# Altium PCB Guppy.PcbDoc (part 1 of 2) (continued)
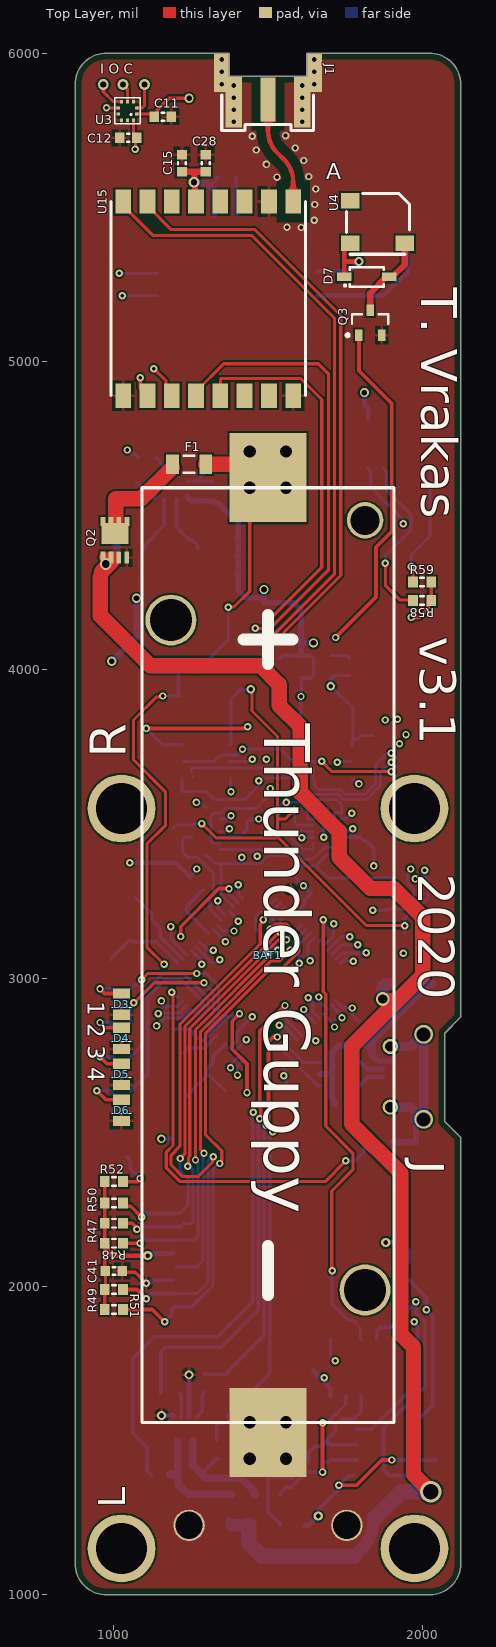
[diagram p0: Top Layer view]
## Footprints (in the part's own frame and the unit in brackets; to place one, negate y for a bottom-side part, rotate by r counter-clockwise, add the part's x,y. Pads: shape width x height; smd on the part's side, far side on the other; paste and mask are expansions set on the pad) (continued)
MICROSD_CARD_SOCKET [mm]
  rect 0.8x1.5 smd: 1(-8.94,-3.8) 2(-7.84,-4.2) 3(-6.74,-3.8) 4(-5.64,-3.6) 5(-4.54,-3.8) 6(-3.44,-3.6) 7(-2.34,-3.8) 8(-1.24,-3.8)
  rect 1.4x1.9 smd: CD(-13.6,0.2) SHIELD3(-0.55,-0.95)
  rect 1.8x1.4 smd: SHIELD1(-2.05,-14.1) SHIELD2(-7.75,-14.1)
  body extent -14,-14.42 0,0.83, height 1.85
POWERPAK_1212-8_DUAL [mm] "PowerPAK 1212-8 Dual (Vishay footprint)"
  rect 0.99x0.405 smd: 1(-1.12,0.975) 2(-1.12,0.315) 3(-1.12,-0.315) 4(-1.12,-0.975)
  rect 1.725x0.99 smd: 5(0.863,-0.607) 7(0.863,0.607)
  rect 0.76x0.405 smd: 5(1.855,-0.992) 5(1.855,-0.315) 7(1.855,0.315) 7(1.855,0.992)
  body extent -1.5,-1.25 2,1.25, height 1.05
POWERPAK_1212-8_SINGLE [mm] "PowerPAK 1212-8 Single (Vishay footprint)"
  rect 0.99x0.405 smd: 1(-1.12,-0.315) 1(-1.12,0.315) 1(-1.12,0.975) 4(-1.12,-0.975)
  rect 1.725x2.204 smd: 5(0.863,0)
  rect 0.76x0.405 smd: 5(1.855,-0.992) 5(1.855,-0.315) 5(1.855,0.315) 5(1.855,0.992)
  Mechanical 13 keep-out region: -0.168,-1.775 0.167,-1.775 0.167,1.775 -0.168,1.775
  body extent -1.5,-1.25 2,1.25, height 1.05
R0603 [mm] "Chip Resistor, 2-Leads, Body 1.6x0.8mm, IPC High Density"
  rect 0.8x0.9 smd: 1(-0.75,0) 2(0.75,0)
  silkscreen extent -0.15,-0.35 0.15,0.35, body extent -0.8,-0.4 0.8,0.4, height 0.45
R1206 [mm] "Chip Resistor, 2-Leads, Body 3.1x1.6mm, IPC High Density"
  rect 1.05x1.6 smd: 1(-1.375,0) 2(1.375,0)
  silkscreen extent -0.45,-0.7 0.45,0.7, body extent -1.6,-0.8 1.6,0.8, height 0.6
RFM-22 [mm] "RFM Module Standard Size"
  rect 2x1.3 smd paste+0 mask+0: 1(0,0) 2(0,-2) 3(0,-4) 4(0,-6) 5(0,-8) 6(0,-10) 7(0,-12) 8(0,-14) 9(16,-14) 10(16,-12) 11(16,-10) 12(16,-8) 13(16,-6) 14(16,-4) 15(16,-2) 16(16,0)
  silkscreen extent 0,-15 16,1, body extent 0,-15 16,1, height 2.04
SAM-M8 [mm] "ublox SAM antenna module"
  rect 1.8x1.5 smd paste-1.8: 1(-6.6,3.8) 2(-6.6,1.9) 3(-6.6,0) 4(-6.6,-1.9) 5(-6.6,-3.8) 11(6.6,-3.8) 12(6.6,-1.9) 13(6.6,0) 14(6.6,1.9) 15(6.6,3.8)
  rect 1.5x1.8 smd paste-1.8: 6(-3.8,-6.6) 7(-1.9,-6.6) 8(0,-6.6) 9(1.9,-6.6) 10(3.8,-6.6) 16(3.8,6.6) 17(1.9,6.6) 18(0,6.6) 19(-1.9,6.6) 20(-3.8,6.6)
  silkscreen extent -9.1,-7.77 7.74,7.74, body extent -7.76,-7.74 7.74,7.76, height 5.41
"SAMD TQFP-64" [mm] "TSQFP, 64-Leads, Body 10.00x10.00mm, Pitch 0.50mm, IPC Medium Density"
  oval 1.4x0.3 smd: 1(-5.7,3.75) 2(-5.7,3.25) 3(-5.7,2.75) 4(-5.7,2.25) 5(-5.7,1.75) 6(-5.7,1.25) 7(-5.7,0.75) 8(-5.7,0.25) 9(-5.7,-0.25) 10(-5.7,-0.75) 11(-5.7,-1.25) 12(-5.7,-1.75) 13(-5.7,-2.25) 14(-5.7,-2.75) 15(-5.7,-3.25) 16(-5.7,-3.75) 33(5.7,-3.75) 34(5.7,-3.25) 35(5.7,-2.75) 36(5.7,-2.25) 37(5.7,-1.75) 38(5.7,-1.25) 39(5.7,-0.75) 40(5.7,-0.25) 41(5.7,0.25) 42(5.7,0.75) 43(5.7,1.25) 44(5.7,1.75) 45(5.7,2.25) 46(5.7,2.75) 47(5.7,3.25) 48(5.7,3.75)
  oval 0.3x1.4 smd: 17(-3.75,-5.7) 18(-3.25,-5.7) 19(-2.75,-5.7) 20(-2.25,-5.7) 21(-1.75,-5.7) 22(-1.25,-5.7) 23(-0.75,-5.7) 24(-0.25,-5.7) 25(0.25,-5.7) 26(0.75,-5.7) 27(1.25,-5.7) 28(1.75,-5.7) 29(2.25,-5.7) 30(2.75,-5.7) 31(3.25,-5.7) 32(3.75,-5.7) 49(3.75,5.7) 50(3.25,5.7) 51(2.75,5.7) 52(2.25,5.7) 53(1.75,5.7) 54(1.25,5.7) 55(0.75,5.7) 56(0.25,5.7) 57(-0.25,5.7) 58(-0.75,5.7) 59(-1.25,5.7) 60(-1.75,5.7) 61(-2.25,5.7) 62(-2.75,5.7) 63(-3.25,5.7) 64(-3.75,5.7)
  silkscreen extent -5.82,-4.6 4.6,4.6, body extent -6,-6 6,6, height 1.2
SMA [mm] "Molded Diode, 2-Leads, Body 4.3x2.6mm, IPC High Density"
  rect 2.1x1.45 smd: 1(-1.85,0) 2(1.85,0)
  silkscreen extent -2.3,-1.5 3.07,1.5, body extent -2.6,-1.3 2.6,1.3, height 2.4
SMA-J-P-X-ST-EM1 [mm]
  rect 1.35x4.2 smd paste-2.54 mask+0: G1(2.825,-2.1) G3(-2.825,-2.1)
  rect 1.35x4.2 smd far side paste-2.54 mask+0: G2(2.825,-2.1) G4(-2.825,-2.1)
  rect 1.27x3.175 smd far side paste-2.54 mask+0: G5(3.81,0.318) G6(-3.81,0.318)
  rect 1.27x3.175 smd paste-2.54 mask+0: G7(3.81,0.318) G8(-3.81,0.318)
  rect 1.27x3.6 smd paste-2.54 mask+0.05: S1(0,-1.9)
  silkscreen extent -3.81,-4.45 3.75,-1.52, body extent -3.17,-3.78 3.18,12.1, height 3.63
SMD5230 [mm]
  rect 1.95x2.55 smd: 1(-2.175,0) 2(2.175,0)
  silkscreen extent -2.9,-2.7 2.9,2.7, body extent -2.87,-2.72 2.87,2.71, height 3
SMTC-FTSH-105-01-L-DV-K_V [mm] "CONN, 10-Leads, Body 6.35x3.43mm, Pitch 1.27mm"
  rect 0.74x2.79 smd: 1(-2.54,-2.035) 2(-2.54,2.035) 3(-1.27,-2.035) 4(-1.27,2.035) 5(0,-2.035) 6(0,2.035) 7(1.27,-2.035) 8(1.27,2.035) 9(2.54,-2.035) 10(2.54,2.035)
  silkscreen extent -3.17,-4.1 3.17,0.34, body extent -3.17,-2.92 3.18,2.92, height 6.12
SOD123 [mm]
  rect 1.2x0.7 smd: 1(-1.85,0) 2(1.85,0)
  silkscreen extent -1.4,-0.8 1.85,0.8, body extent -1.85,-0.8 1.85,0.8, height 1.27
TPS63070 [mm]
  rrect40% 0.6x0.25 on Bottom Paste: 0(0.751,1.913) 0(0.751,2.413) 0(3.551,1.913) 0(3.551,2.413)
  rrect40% 0.6x0.25 on Bottom Solder: 0(0.751,1.913) 0(0.751,2.413) 0(3.551,1.913) 0(3.551,2.413)
  rrect40% 0.25x0.75 on Bottom Paste: 0(0.926,2.163) 0(3.376,2.163)
  rrect40% 0.25x0.75 on Bottom Solder: 0(0.926,2.163) 0(3.376,2.163)
  rrect40% 0.25x0.72 on Bottom Paste: 0(2.151,2.698) 1(2.151,1.778)
  rrect42% 0.24x0.6 smd: 1(1.401,0.488) 2(1.901,0.488) 3(2.401,0.488) 4(2.901,0.488)
  rrect40% 0.25x0.575 on Bottom Paste: 1(1.651,2.026) 1(1.651,2.801) 1(2.651,2.026) 1(2.651,2.801)
  rrect42% 0.6x0.24 smd: 5(3.551,0.913) 6(3.551,1.413) 14(0.751,1.413) 15(0.751,0.913)
  rrect17% 0.7x0.85 smd paste-0.35 mask-0.35: 7(3.551,2.163) 8(3.551,2.163) 12(0.751,2.163) 13(0.751,2.163)
  rrect42% 0.328x1.45 smd paste-0.18 mask-0.05: 9(2.651,2.413) 11(1.651,2.413)
  rrect42% 0.328x1.8 smd paste-0.18 mask-0.05: 10(2.151,2.238)
  silkscreen extent 0.48,0.21 3.83,3.06, body extent 0.58,0.31 3.73,2.96, height 1.01
XTAL_TXC_9HT10 [mm] "Chip Capacitor, 2-Leads, Body 3.2x1.5mm, IPC Medium Density"
  rect 1.55x1.65 smd: 1(-1.275,0) 2(1.275,0)
  silkscreen extent -0.1,-0.72 0.1,0.72, body extent -1.65,-0.8 1.65,0.8, height 0.85

## Part data
B1: library part CMP-051-0000-1, "FERRITE BEAD 600 OHM 300mA", Current Rating (Max)=300mA, DC Resistance (DCR) (Max)="400 mOhm", Impedance @ Frequency="600 Ohm @ 100MHz", Manufacturer="Taiyo Yuden", Manufacturer Part Number=BK1608HW601-T, Operating Temperature="-55°C ~ 125°C", Package / Case="0603 (1608 Metric)", Ratings=-, ComponentLink1Description=http://ds.yuden.co.jp/TYCOMPAS/ut/detail.do?productNo=BK1608HW601-T&fileName=BK1608HW601-T_SS&mode=specSheetDownload, ComponentLink1URL=http://ds.yuden.co.jp/TYCOMPAS/ut/detail.do?productNo=BK1608HW601-T&fileName=BK1608HW601-T_SS&mode=specSheetDownload, Design Item ID=FB_1608, Filter Type=-, Height (Max)="0.037\" (0.95mm)", Mounting Type="Surface Mount", Number of Lines=1, Packaging="Cut Tape (CT)", Part Status=Active, Pricing 1="1=0.1, 10=0.059, 50=0.0474, 100=0.0426, 250=0.0312, 500=0.0227, 1000=0.02223 (USD)", RoHS="RoHS Compliant", Size / Dimension="0.063\" L x 0.031\" W (1.60mm x 0.80mm)", Source=inductor.SchLib, Stock 1=11908
BAT1: library part CMP-030-0003-4, "Dual Lithium Ion Cell Holder", Case/Package=SMD/SMT, Manufacturer="Keystone Electronics", Manufacturer Part Number=1048P, Max Operating Temperature=145°C, Min Operating Temperature=-50°C, Operating Temperature="-50°C ~ 145°C", Package Quantity=1, Battery Cell Size=18650, Battery Series=-, Battery Type, Function="Cylindrical, Holder", Body Material=Nylon, ComponentLink1Description=http://www.keyelco.com/product-pdf.cfm?p=13959, ComponentLink1URL=http://www.keyelco.com/product-pdf.cfm?p=13959, ComponentLink2Description=https://datasheet.ciiva.com/4/1042-4715.pdf?src-supplier=Digi-Key, ComponentLink2URL=https://datasheet.ciiva.com/4/1042-4715.pdf?src-supplier=Digi-Key, ComponentLink3Description=https://datasheet.ciiva.com/3353/key1042-rev-eng-tds-3353207.pdf?src-supplier=Distrelec, ComponentLink3URL=https://datasheet.ciiva.com/3353/key1042-rev-eng-tds-3353207.pdf?src-supplier=Distrelec, Contact Material=Bronze, Contact Plating=Tin, Design Item ID=BATT_18650, Height Above Board="0.585\" (14.86mm)", Lead Free="Lead Free", Material=Nylon, Mount="Surface Mount", Mounting Type="PCB, Surface Mount", Number of Cells=2, Packaging=Tray, Pricing 1="1=2.76000, 10=2.32100, 50=2.03840, 250=1.76540, 1000=1.63000, 2500=1.40140, 5000=1.27400 (USD)", RoHS="RoHS Compliant", Source=connector.SchLib, Stock 1=6575, Style="Holder (Open)", Termination=SMD/SMT, Termination Style="SMD (SMT) Tab"
BAT2 BAT3: library part CMP-060-0000-1, "MS621FE RECHARGEABLE COIN CELL BACKUP", Capacity=5.5mAh, Manufacturer="Seiko Instruments", Manufacturer Part Number=MS621FE-FL11E, Standard Charge Current=15µA, Battery Cell Size="Coin, 6.8mm", Battery Chemistry=Lithium, ComponentLink1Description=http://www.sii.co.jp/en/me/files/2017/04/MicroBatteryCatalogue-E_2017_web.pdf, ComponentLink1URL=http://www.sii.co.jp/en/me/files/2017/04/MicroBatteryCatalogue-E_2017_web.pdf, Design Item ID=BAT_MS621FE, Discharge Rate=15µA, Part Status=Active, Pricing 1="1=2.04, 10=1.838, 50=1.6338, 100=1.4296, 250=1.30704, 500=1.22534, 1000=1.09051, 2500=1.0112, 5000=0.99138 (USD)", RoHS="RoHS Compliant", Shipping Info="Due to restrictions, only ground shipment is allowed.", Size / Dimension="0.27\" Dia x 0.08\" H (6.8mm x 2.1mm)", Source=miscellaneous.SchLib, Standard Charge Time=-, Stock 1=41059, Termination Style="SMD (SMT) Tab", Weight=0.23g
C1 C2 C3 C4 C8 C19 C23 C28 C40 C46: library part CMP-119-0071-1, "CAP CER 10UF 35V X5R 0603 20%", Capacitance (shorthand)=10µF, Capacitance - pF (Machine readable)=#NAME?, Dielectric=X5R, Manufacturer="Murata Electronics North America", Rated Voltage=35V
C5 C6 C7: library part CMP-119-0072-1, "CAP CER 22UF 16V X5R 0603 20%", Capacitance (shorthand)=22µF, Capacitance - pF (Machine readable)=#NAME?, Dielectric=X5R, Manufacturer="Samsung Electro-Mechanics", Rated Voltage=16V
C9 C10 C11 C12 C13 C14 C15 C16 C17 C18 C20 C21 C22 C24 C25 C26 C27 C41 C43 C44 C48 C50 C51 C52 C53: library part CMP-119-0065-1, "CAP CER 0603 0.1µF X7R 50V 10%", Capacitance (shorthand)=0.1µF, Capacitance - pF (Machine readable)=#NAME?, Dielectric=X7R, Manufacturer="Murata Electronics North America", Rated Voltage=50V
C42: library part CMP-119-0070-1, "CAP CER 4.7UF 16V X5R 0603 10%", Capacitance (shorthand)=4.7µF, Capacitance - pF (Machine readable)=#NAME?, Dielectric=X5R, Manufacturer=Yageo, Rated Voltage=16V
C45: library part CMP-119-0049-1, "CAP CER 0603 4700pF X7R 50V 10%", Capacitance (shorthand)=4700pF, Capacitance - pF (Machine readable)=#NAME?, Dielectric=X7R, Manufacturer="Murata Electronics North America", Rated Voltage=50V
C47 C49: library part CMP-119-0008-1, "CAP CER 22PF 50V C0G/NP0 0603", Capacitance (shorthand)=22pF, Capacitance - pF (Machine readable)=22, Dielectric="C0G, NP0", Manufacturer="Murata Electronics North America", Rated Voltage=50V
CANA1: library part CMP-041-0000-1, "Atmel CAN Bus Transciever", Design Item ID=ATA6561, Source=ic_data_converters.SchLib
D1: library part CMP-033-0060-1, "Diode Schottky 100V 1A Surface Mount SMA (DO-214AC)", Capacitance @ Vr, F="30pF @ 4V, 1MHz", Current - Average Rectified (Io)=1A, Current - Reverse Leakage @ Vr="500µA @ 100V", Manufacturer="Bourns Inc.", Manufacturer Part Number=CD214A-B1100LF, Operating Temperature - Junction="-55°C ~ 125°C", Package / Case="DO-214AC, SMA", Supplier Device Package="SMA (DO-214AC)", Voltage - DC Reverse (Vr) (Max)=100V, Voltage - Forward (Vf) (Max) @ If="790mV @ 1A", ComponentLink1Description=http://www.bourns.com/docs/Product-Datasheets/CD214-B120_B1100.pdf, ComponentLink1URL=http://www.bourns.com/docs/Product-Datasheets/CD214-B120_B1100.pdf, Design Item ID=Diode_CD214A-B1100LF, Diode Type=Schottky, Mounting Type="Surface Mount", Packaging="Cut Tape (CT)", Part Status=Active, Pricing 1="1=0.54, 10=0.42, 25=0.3544, 100=0.2888, 250=0.2392, 500=0.1976, 1000=0.148, 2500=0.136 (USD)", Reverse Recovery Time (trr)=-, RoHS="RoHS Compliant", Source=diode.SchLib, Speed="Fast Recovery =< 500ns, > 200mA (Io)", Stock 1=21982
D2 D7: library part CMP-033-0037-1, "DIODE SCHOTTKY 0.5A 20V SOD-123", Capacitance @ Vr, F=-, Current - Average Rectified (Io)=500mA, Current - Reverse Leakage @ Vr="250µA @ 20V", Manufacturer="Fairchild Semiconductor", Manufacturer Part Number=MBR0520L, Package / Case=SOD-123, Voltage - DC Reverse (Vr) (Max)=20V, Voltage - Forward (Vf) (Max) @ If="385mV @ 500mA", ComponentLink1Description=Datasheet, ComponentLink1URL=http://www.fairchildsemi.com/ds/MB/MBR0520L.pdf, Design Item ID=SCHOTTKY_MBR0520L, Diode Type=Schottky, Mounting Type="Surface Mount", Packaging="Cut Tape (CT)", Pricing 1="1=0.63, 10=0.43, 100=0.2024, 250=0.1442, 500=0.11006, 750=0.08603, 1000=0.0759 (USD)", Reverse Recovery Time (trr)=-, RoHS="RoHS Compliant", Source=diode.SchLib, Speed="Fast Recovery =< 500ns, > 200mA (Io)", Stock 1=217232, Supplier Device Package=SOD-123
D3 D4 D5 D6: library part CMP-033-0000-1, "LED 0805 GREEN 20MA", Color=Green, Current - Test=20mA, Lens Color=White, Manufacturer="OSRAM Opto Semiconductors Inc", Manufacturer Part Number="LG R971-KN-1", Millicandela Rating=26.05mcd, Package / Case="0805 (2012 Metric)", Voltage - Forward (Vf) (Typ)=2.2V, ComponentLink1Description=http://www.osram-os.com/Graphics/XPic9/00078860_0.pdf, ComponentLink1URL=http://www.osram-os.com/Graphics/XPic9/00078860_0.pdf, Design Item ID=LED_LY971, Height (Max)=0.80mm, Lens Style/Size="Rectangle with Flat Top, 1.30mm x 1.25mm", Lens Transparency=Diffused, Mounting Type="Surface Mount", Packaging="Cut Tape (CT)", Pricing 1="1=0.08, 10=0.069, 100=0.0548, 250=0.04796, 500=0.04384 (USD)", RoHS="RoHS Compliant", Size / Dimension="2.00mm L x 1.25mm W", Source=diode.SchLib, Stock 1=89733, Viewing Angle=160°, Wavelength - Dominant=570nm, Wavelength - Peak=572nm
F1: library part CMP-035-0003-1, Design Item ID=__template_fuse, Source=fuse.SchLib
J1: library part CMP-025-0000-1, "SMA Samtec, Edge Mount, Long Thread. PCB Footprint designed by timv to improve strength, verifived on several PCBs from BAC."
J2: library part CMP-029-0083-1, "CONN RCPT USB2.0 MICRO B SMD R/A", Colour=Black, Current Rating=1.8A, Flammability Rating="UL94 V-0", Insulation Resistance=1GR, Manufacturer="Amphenol FCI", Manufacturer Part Number=10118194-0001LF, Max Operating Temperature=85°C, Max Voltage Rating (AC)=100V, Min Operating Temperature=-55°C, Package Quantity=9600, ComponentLink1Description=https://datasheet.ciiva.com/851/10118194-851110.pdf, ComponentLink1URL=https://datasheet.ciiva.com/851/10118194-851110.pdf, ComponentLink2Description=https://datasheet.ciiva.com/851/10118194-851111.pdf, ComponentLink2URL=https://datasheet.ciiva.com/851/10118194-851111.pdf, ComponentLink3Description=https://datasheet.ciiva.com/4598/10118194ac-197217-4598807.pdf, ComponentLink3URL=https://datasheet.ciiva.com/4598/10118194ac-197217-4598807.pdf, ComponentLink4Description=https://datasheet.ciiva.com/29907/10118194-29907230.pdf, ComponentLink4URL=https://datasheet.ciiva.com/29907/10118194-29907230.pdf, ComponentLink5Description=https://datasheet.ciiva.com/26945/getdatasheetpartid-418619-26945695.pdf, ComponentLink5URL=https://datasheet.ciiva.com/26945/getdatasheetpartid-418619-26945695.pdf, Connector Type=USB,Receptacle, Contact Material="Copper Alloy", Contact Plating=Nickel,Gold, Depth=5mm, Design Item ID=CONN_USB_MICROB_SMD_TH_R/A, Gender=Receptacle, Housing Material=Polymer, Lead Free="Lead Free", Length=8.05mm, Mount="Surface Mount,Horizontal", Number of Contacts=5, Number of Ports=1, Number of Terminals=5, Orientation="Right Angle", Packaging="Tape and Reel", Pitch=0.65mm, Pricing 1="1=0.46, 10=0.437, 25=0.3744, 50=0.318, 100=0.3056, 250=0.2744, 500=0.262 (USD)", Radiation Hardening=No, Source=connector.SchLib, Stock 1=180464, Termination=Solder
K1 K2 K3 K4: library part CMP-054-0013-1, "Press-Fit Unthreaded Spacers, 7/32\" OD, 1/8\" Long", Design Item ID=#4_PRESSFIT_MOUNTING_FOOT, Source=mechanical.SchLib, Supplier Link=https://www.mcmaster.com/#92985a610/=16cb2ec
L1: library part CMP-052-0036-1, "INDUCTOR POWER 1.5UH 7.5A SMD", Current - Saturation=7A, Current Rating=7.5A, DC Resistance (DCR)="18.5 mOhm Max", Frequency - Self Resonant=-, Frequency - Test=100kHz, Inductance=1.5µH, Manufacturer="Vishay Dale", Manufacturer Part Number=IHLP2020CZER1R5M11, Operating Temperature="-55°C ~ 125°C", Package / Case="Non Standard", tolerance=±20%, ComponentLink1Description=Datasheet, ComponentLink1URL=http://www.vishay.com/docs/34260/lp20cz11.pdf, Design Item ID=IND_IHLP2020CZER1R5M11, Material - Core=-, Mounting Type="Surface Mount", Packaging="Cut Tape (CT)", Pricing 1="1=2.29, 10=1.86, 100=1.55, 500=1.24, 1000=1.116 (USD)", Q @ Freq=-, RoHS="RoHS Compliant", Shielding=Shielded, Size / Dimension="0.216\" L x 0.204\" W x 0.118\" H (5.49mm x 5.18mm x 3.00mm)", Source=inductor.SchLib, Stock 1=17936
L3: library part CMP-052-0010-1, "INDUCTOR 100UH 270MA 1210 SMD", Current=270mA, Current - Temperature Rise=250mA, DC Resistance (DCR)="3 Ohm Max", Frequency - Self Resonant=5MHz, Frequency - Test=100kHz, Inductance=100µH, Manufacturer="Taiyo Yuden", Manufacturer Part Number=BRL3225T101K, Operating Temperature="-40°C ~ 105°C", Package / Case="1210 (3225 Metric)", Q @ Freq=-, tolerance=±10%, Applications="Power Supplies", ComponentLink1Description=Datasheet, ComponentLink1URL=http://www.yuden.co.jp/ut/product/pdf/wound07_e.pdf, Current - Saturation=270mA, Design Item ID=IND_BRL3225T101K, Material - Core=-, Mounting Type="Surface Mount", Packaging="Cut Tape (CT)", Pricing 1="1=0.16, 10=0.155, 50=0.145, 100=0.1354, 500=0.10638, 1000=0.08704 (GBP)", RoHS="RoHS Compliant", Shielding=Unshielded, Source=inductor.SchLib, Stock 1=84687
P1: library part CMP-2000-05352-1, "Male Header, Pitch 1.27 mm, 2 x 5 Position, Height 6.12 mm, RoHS, Tube", Color=Black, Manufacturer=Samtec, Package Description="Male Header, Pitch 1.27 mm, 2 x 5 Position, Height 5.97 mm, Tail Length 4.32 mm", Package Reference=FTSH-105-01-L-DV-K, Category=Connectors,Interconnects, Connector Type=Header,Shrouded, Contact Finish=Gold, Contact Finish Thickness=3µin(0.08µm), Contact Mating Length="0.120\"(3.05mm)", Contact Type=MalePin, Datasheet URL=http://suddendocs.samtec.com/prints/ftsh-1xx-xx-xxx-dv-xxx-mkt.pdf, Datasheet Version="Rev. ET, 10/1995", Family=RectangularConnectors-Headers,MalePins, Fastening Type=-, Features=-, Manufacturer URL=http://www.samtec.com/, Mounting Type=SurfaceMount, Number of Positions=10, Number of Positions Loaded=All, Number of Rows=2, Package URL=http://suddendocs.samtec.com/prints/ftsh-1xx-xx-xxx-dv-xxx-footprint.pdf, Packaging=Tube, Pitch="0.050\"(1.27mm)", Row Spacing="0.050\"(1.27mm)", Series=FTSH, Termination=Solder
Q1: library part CMP-078-0009-1, "MOSFET 2N-CH 20V 25A PPAK 1212-8", Current - Continuous Drain (Id) @ 25°C=25A, Drain to Source Voltage (Vdss)=20V, Input Capacitance (Ciss) @ Vds="1220pF @ 10V", Manufacturer="Vishay Siliconix", Manufacturer Part Number=SI7232DN-T1-GE3, Operating Temperature="-55°C ~ 150°C (TJ)", Package / Case="PowerPAK® 1212-8 Dual", Power - Max=23W, ComponentLink1Description=http://www.vishay.com/docs/68986/si7232dn.pdf, ComponentLink1URL=http://www.vishay.com/docs/68986/si7232dn.pdf, Design Item ID=NFET_SI7232DN, FET Feature="Logic Level Gate", FET Type="2 N-Channel (Dual)", Gate Charge (Qg) @ Vgs="32nC @ 8V", Mounting Type="Surface Mount", Packaging="Cut Tape (CT)", Part Status=Active, Pricing 1="1=0.89, 10=0.782, 25=0.7344, 100=0.5994, 250=0.55672, 500=0.4738, 1000=0.37904 (USD)", Rds On (Max) @ Id, Vgs="16.4 mOhm @ 10A, 4.5V", RoHS="RoHS Compliant", Source=transistor_fet.SchLib, Stock 1=2311, Supplier Device Package="PowerPAK® 1212-8 Dual", Vgs(th) (Max) @ Id="1V @ 250µA"
Q2: library part CMP-078-0043-2, "MOSFET P-CH 20V 35A PPK", Current - Continuous Drain (Id) @ 25°C="35A (Tc)", Drain to Source Voltage (Vdss)=20V, Input Capacitance (Ciss) @ Vds="5590pF @ 10V", Manufacturer="Vishay Siliconix", Manufacturer Part Number=SI7615ADN-T1-GE3, Operating Temperature="-55°C ~ 150°C (TJ)", Package / Case="PowerPAK® 1212-8", Power - Max=52W, ComponentLink1Description=http://www.vishay.com/docs/62667/si7615adn.pdf, ComponentLink1URL=http://www.vishay.com/docs/62667/si7615adn.pdf, Design Item ID=PFET_SI7615ADN-T1, FET Feature=Standard, FET Type="MOSFET P-Channel, Metal Oxide", Gate Charge (Qg) @ Vgs="183nC @ 10V", Mounting Type="Surface Mount", Packaging="Cut Tape (CT)", Part Status=Active, Pricing 1="1=0.73, 10=0.646, 25=0.6068, 100=0.4951, 250=0.45988, 500=0.3914, 1000=0.31312 (USD)", Rds On (Max) @ Id, Vgs="4.4 mOhm @ 20A, 10V", RoHS="RoHS Compliant", Source=transistor_fet.SchLib, Stock 1=98451, Supplier Device Package="PowerPAK® 1212-8", Vgs(th) (Max) @ Id="1.5V @ 250µA"
Q3: library part CMP-078-0046-1, "MOSFET N-CH 25V 5.8A SOT23", Current - Continuous Drain (Id) @ 25° C=5.8A, Drain to Source Voltage (Vdss)=25V, Input Capacitance (Ciss) @ Vds="430pF @ 10V", Manufacturer="International Rectifier", Manufacturer Part Number=IRFML8244TRPBF, Package / Case="TO-236-3, SC-59, SOT-23-3", Power - Max=1.25W, Supplier Device Package=SOT-23, ComponentLink1Description=Datasheet, ComponentLink1URL=http://www.irf.com/product-info/datasheets/data/irfml8244pbf.pdf, Design Item ID=NFET_IRFML8244TRPBF, FET Feature="Logic Level Gate", FET Type="MOSFET N-Channel, Metal Oxide", Gate Charge (Qg) @ Vgs="5.4nC @ 10V", Mounting Type="Surface Mount", Packaging="Cut Tape (CT)", Pricing 1="1=0.41, 10=0.23, 100=0.1491, 250=0.13548, 500=0.1219, 1000=0.11411 (USD)", Rds On (Max) @ Id, Vgs="24 mOhm @ 5.8A, 10V", RoHS="RoHS Compliant", Source=transistor_fet.SchLib, Stock 1=13542, Vgs(th) (Max) @ Id="2.35V @ 10µA"
R1 R5 R8 R9 R11 R18 R19 R21 R48 R52 R59: library part CMP-126-0273-1, "RES SMD 10K OHM 1% 1/10W 0603", Manufacturer=Yageo, Manufacturer Part Number=RC0603FR-0710KL, Operating Temperature="-55°C ~ 155°C", Power (Watts)="0.1W, 1/10W", Resistance="10 kΩ", Resistance (Sortable)=10000, Temperature Coefficient=±100ppm/°C, tolerance=±1%, Datasheets=http://www.yageo.com/documents/recent/PYu-RC_Group_51_RoHS_L_9.pdf, Image=//media.digikey.com/Renders/Yageo%20Renders/0603-(1608-Metric).jpg
R2: library part CMP-126-0450-1, "RES SMD 470K OHM 1% 1/10W 0603", Manufacturer=Yageo, Manufacturer Part Number=RC0603FR-07470KL, Operating Temperature="-55°C ~ 155°C", Power (Watts)="0.1W, 1/10W", Resistance="470 kΩ", Resistance (Sortable)=470000, Temperature Coefficient=±100ppm/°C, tolerance=±1%, Datasheets=http://www.yageo.com/documents/recent/PYu-RC_Group_51_RoHS_L_9.pdf, Image=//media.digikey.com/Renders/Yageo%20Renders/0603-(1608-Metric).jpg
R3 R47 R49 R50 R51: library part CMP-126-0382-1, "RES SMD 100K OHM 1% 1/10W 0603", Manufacturer=Yageo, Manufacturer Part Number=RC0603FR-07100KL, Operating Temperature="-55°C ~ 155°C", Power (Watts)="0.1W, 1/10W", Resistance="100 kΩ", Resistance (Sortable)=100000, Temperature Coefficient=±100ppm/°C, tolerance=±1%, Datasheets=http://www.yageo.com/documents/recent/PYu-RC_Group_51_RoHS_L_9.pdf, Image=//media.digikey.com/Renders/Yageo%20Renders/0603-(1608-Metric).jpg
R4: library part CMP-126-0400-1, "RES SMD 150K OHM 1% 1/10W 0603", Manufacturer=Yageo, Manufacturer Part Number=RC0603FR-07150KL, Operating Temperature="-55°C ~ 155°C", Power (Watts)="0.1W, 1/10W", Resistance="150 kΩ", Resistance (Sortable)=150000, Temperature Coefficient=±100ppm/°C, tolerance=±1%, Datasheets=http://www.yageo.com/documents/recent/PYu-RC_Group_51_RoHS_L_9.pdf, Image=//media.digikey.com/Renders/Yageo%20Renders/0603-(1608-Metric).jpg
R6 R10 R13 R14 R15 R16: library part CMP-126-0070-1, "RES SMD 100 OHM 1% 1/10W 0603", Manufacturer=Yageo, Manufacturer Part Number=RC0603FR-07100RL, Operating Temperature="-55°C ~ 155°C", Power (Watts)="0.1W, 1/10W", Resistance="100 Ω", Resistance (Sortable)=100, Temperature Coefficient=±100ppm/°C, tolerance=±1%, Datasheets=http://www.yageo.com/documents/recent/PYu-RC_Group_51_RoHS_L_9.pdf, Image=//media.digikey.com/Renders/Yageo%20Renders/0603-(1608-Metric).jpg
R7 R17: library part CMP-126-0222-1, "RES SMD 3.3K OHM 1% 1/10W 0603", Manufacturer=Yageo, Manufacturer Part Number=RC0603FR-073K3L, Operating Temperature="-55°C ~ 155°C", Power (Watts)="0.1W, 1/10W", Resistance="3.3 kΩ", Resistance (Sortable)=3300, Temperature Coefficient=±100ppm/°C, tolerance=±1%, Datasheets=http://www.yageo.com/documents/recent/PYu-RC_Group_51_RoHS_L_9.pdf, Image=//media.digikey.com/Renders/Yageo%20Renders/0603-(1608-Metric).jpg
R12: library part CMP-126-0304-1, "RES SMD 20K OHM 1% 1/10W 0603", Manufacturer=Yageo, Manufacturer Part Number=RC0603FR-0720KL, Operating Temperature="-55°C ~ 155°C", Power (Watts)="0.1W, 1/10W", Resistance="20 kΩ", Resistance (Sortable)=20000, Temperature Coefficient=±100ppm/°C, tolerance=±1%, Datasheets=http://www.yageo.com/documents/recent/PYu-RC_Group_51_RoHS_L_9.pdf, Image=//media.digikey.com/Renders/Yageo%20Renders/0603-(1608-Metric).jpg
R20: library part CMP-126-0077-1, "RES SMD 120 OHM 1% 1/10W 0603", Manufacturer=Yageo, Manufacturer Part Number=RC0603FR-07120RL, Operating Temperature="-55°C ~ 155°C", Power (Watts)="0.1W, 1/10W", Resistance="120 Ω", Resistance (Sortable)=120, Temperature Coefficient=±100ppm/°C, tolerance=±1%, Datasheets=http://www.yageo.com/documents/recent/PYu-RC_Group_51_RoHS_L_9.pdf, Image=//media.digikey.com/Renders/Yageo%20Renders/0603-(1608-Metric).jpg
R57: library part CMP-126-0484-1, "RES SMD 1M OHM 1% 1/10W 0603", Manufacturer=Yageo, Manufacturer Part Number=RC0603FR-071ML, Operating Temperature="-55°C ~ 155°C", Power (Watts)="0.1W, 1/10W", Resistance="1 MΩ", Resistance (Sortable)=1000000, Temperature Coefficient=±100ppm/°C, tolerance=±1%, Datasheets=http://www.yageo.com/documents/recent/PYu-RC_Group_51_RoHS_L_9.pdf, Image=//media.digikey.com/Renders/Yageo%20Renders/0603-(1608-Metric).jpg
R58: library part CMP-126-0172-1, "RES SMD 1K OHM 1% 1/10W 0603", Manufacturer=Yageo, Manufacturer Part Number=RC0603FR-071KL, Operating Temperature="-55°C ~ 155°C", Power (Watts)="0.1W, 1/10W", Resistance="1 kΩ", Resistance (Sortable)=1000, Temperature Coefficient=±100ppm/°C, tolerance=±1%, Datasheets=http://www.yageo.com/documents/recent/PYu-RC_Group_51_RoHS_L_9.pdf, Image=//media.digikey.com/Renders/Yageo%20Renders/0603-(1608-Metric).jpg
U1: library part CMP-047-0013-1, "BUCKBOOST TPS63070RNM, RNM0015A", Case/Package=VQFN, Manufacturer="Texas Instruments", Manufacturer Part Number=TPS63070RNMR, Max Input Voltage=16V, Max Operating Temperature=125°C, Max Output Voltage=9V, Min Input Voltage=2V, Min Operating Temperature=-40°C, Min Output Voltage=2.5V, Output Current=2A, Quiescent Current=50uA, Switching Frequency=2.4MHz, ComponentLink1Description="Datasheet Link", ComponentLink1URL=https://sps06.itg.ti.com/sites/KMS/crossdivteams/altium/docs/ComponentDatasheets/TPS63070_datasheet_23_April2015.pdf, Design Item ID=TPS63070RNM, Lead Free="Lead Free", Mount="Surface Mount", Number of Outputs=1, Number of Pins=15, Output Configuration=Positive, Output Type=Adjustable, Packaging="Tape and Reel", Pricing 1="1=2.67, 10=2.402, 100=1.9306, 500=1.5862, 1000=1.31428 (USD)", Source=ic_pmic.SchLib, Stock 1=16230, Synchronous Rectifier=Yes, Topology=Buck-Boost
U2: library part CMP-048-0071-1, "IC REG LDO 3.3V .2A SOT23-5", Current - Limit (Min)=220mA, Current - Output=200mA, Manufacturer="Texas Instruments", Manufacturer Part Number=TLV70033QDDCRQ1, Operating Temperature="-40°C ~ 125°C", Package / Case="SOT-23-5 Thin, TSOT-23-5", Supplier Device Package=SOT-5, Voltage - Dropout (Typical)=-, Voltage - Input="Up to 5.5V", Voltage - Output=3.3V, ComponentLink1Description=Datasheet, ComponentLink1URL=http://www.ti.com/lit/ds/symlink/tlv70033-q1.pdf, Design Item ID=LDO_TLV70033QDDCRQ1, Mounting Type="Surface Mount", Number of Regulators=1, Packaging="Cut Tape (CT)", Pricing 1="1=0.58, 10=0.507, 25=0.444, 100=0.1661, 250=0.16296, 500=0.1599, 750=0.15683 (USD)", Regulator Topology="Positive Fixed", RoHS="RoHS Compliant", Source=ic_pmic.SchLib, Stock 1=889
U3 U7: library part CMP-074-0001-1, "SENSOR PRESSURE ABS", Manufacturer="Bosch Sensortec", ComponentLink1Description=https://ae-bst.resource.bosch.com/media/_tech/media/product_flyer/BST-BMP388-FL000-00.pdf, ComponentLink1URL=https://ae-bst.resource.bosch.com/media/_tech/media/product_flyer/BST-BMP388-FL000-00.pdf, Design Item ID=BMP388, Manufacturer Part Number=BMP388, Pricing 1="1=3.93, 5=3.466, 10=3.061, 25=2.4832, 50=2.1946, 100=2.1368, 500=1.7903, 1000=1.6748, 5000=1.5593 (USD)", Source=sensor.SchLib, Stock 1=46050
U4: library part CMP-057-0027-1, "Peak-Peak Signal Buzzer Single Tone 4kHz Magnetic 2 ~ 4V 78dB @ 3V, 10cm", Current - Supply=100mA, Frequency=4kHz, Manufacturer="PUI Audio, Inc.", Manufacturer Part Number=SMT-0540-T-7-R, Operating Mode="Single Tone", Operating Temperature="-30°C ~ 70°C", Ratings=-, Voltage - Rated=3V, Voltage Range="2 ~ 4V", Approvals=-, ComponentLink1Description=http://www.puiaudio.com/pdf/SMT-0540-T-7-R.pdf, ComponentLink1URL=http://www.puiaudio.com/pdf/SMT-0540-T-7-R.pdf, Design Item ID=BUZ_SMT-0540-T-7-R, Driver Circuitry="Transducer, Externally Driven", Duration=-, Input Type="Peak-Peak Signal", Mounting Type="Surface Mount", Packaging="Cut Tape (CT)", Part Status=Active, Port Location=Top, Pricing 1="1=3.99, 10=3.325, 100=2.66, 500=2.3275 (USD)", RoHS="RoHS Compliant", Size / Dimension="5.0mm L x 5.0mm W x 2.1mm H", Sound Pressure Level="78dB @ 3V, 10cm", Source=miscellaneous.SchLib, Stock 1=12397, Technology=Magnetic, Termination="Solder Pads"
U5 U6: library part CMP-074-0018-1, "200G Accelcerometer", Manufacturer="Analog Devices", Manufacturer Part Number=ADXL375BCCZ-RL7, Max Operating Temperature=85°C, Min Operating Temperature=-40°C, Nominal Supply Current=145uA, Operating Supply Voltage=3.6V, Package Quantity=1, -3db Bandwidth=1.6kHz, Axis="X, Y, Z", Bandwidth=1kHz, Design Item ID=ADXL375BCCZ, Interface=I2C,SPI, Lead Free="Contains Lead", Mount="Surface Mount", Number of Pins=14, Operating Supply Current=145uA, Output Type=Digital, Pricing 1="1=10.9, 10=10.021, 100=8.463, 500=7.5284 (USD)", Sensitivity=20.5LSB/g, Source=sensor.SchLib, Stock 1=3410
U8 U9: library part CMP-074-0017-1, "Bosch BMI088", Design Item ID=IMU_BMI088, Source=sensor.SchLib
U10: library part CMP-132-0007-1, "ublox SAM GNSS antenna module", Manufacturer=u-blox, Design Item ID=SAM-M8, Part Description="u-blox SAM GNSS antenna module", Source=ubloxLib.SchLib
U11: library part CMP-030-0037-1, "MICROSD CARD HOLDER, PUSH-PUSH", Manufacturer=3M, Manufacturer Part Number=2908-05WB-MG, Card Type="Secure Digital - microSD™", ComponentLink1Description=http://multimedia.3m.com/mws/media/416257O/3mtm-card-connector-microsdtm-2900-series-ts2197.pdf, ComponentLink1URL=http://multimedia.3m.com/mws/media/416257O/3mtm-card-connector-microsdtm-2900-series-ts2197.pdf, Connector Type="Connector and Ejector", Contact Finish=Gold, Contact Finish Thickness="15µin (0.38µm)", Design Item ID=MICRO_SD_CARD_HOLDER, Ejector Side=-, Features=Switch, Height Above Board="0.073\" (1.85mm)", Insertion, Removal Method="Push In, Push Out", Mounting Feature="Normal, Standard - Top", Mounting Type="Surface Mount, Right Angle", Number of Positions="10 (8 + 2)", Packaging="Cut Tape (CT)", Pricing 1="1=3.6, 10=3.458, 25=3.1704, 50=3.0262, 100=2.882, 250=2.52176, 500=2.4497, 1000=2.08945 (USD)", RoHS="RoHS Compliant", Source=connector.SchLib, Stock 1=32313
U12: library part CMP-049-0005-1, "Atmel SAM ARM Cortex M4", ComponentLink1Description="Product Page", ComponentLink1URL=https://www.microchip.com/wwwproducts/en/ATSAMD21G18, ComponentLink2Description=Datasheet, ComponentLink2URL=http://ww1.microchip.com/downloads/en/DeviceDoc/SAM-D21-Family-Datasheet-DS40001882C.pdf, Design Item ID=SAME51J20A-A, Source=ic_processor.SchLib
U13: library part CMP-038-0001-1, Capacitance @ Frequency=-, Current - Peak Pulse (10/1000µs)="5A (8/20µs)", Manufacturer=STMicroelectronics, Manufacturer Part Number=USBLC6-2SC6, Operating Temperature="-40°C ~ 125°C (TJ)", Package / Case=SOT-23-6, Power Line Protection=Yes, Voltage - Breakdown (Min)=6V, Voltage - Clamping (Max) @ Ipp=17V, Voltage - Reverse Standoff (Typ)=5.25V, Applications=Ethernet, Bidirectional Channels=-, ComponentLink1Description=http://www.st.com/web/en/resource/technical/document/datasheet/CD00050750.pdf, ComponentLink1URL=http://www.st.com/web/en/resource/technical/document/datasheet/CD00050750.pdf, Design Item ID=USBLC6-2, Mounting Type="Surface Mount", Packaging="Cut Tape (CT)", Part Status=Active, Power - Peak Pulse=-, Pricing 1="1=0.51, 10=0.411, 100=0.2802, 500=0.21012, 1000=0.15759 (USD)", RoHS="RoHS Compliant", Source=ic_analog.SchLib, Stock 1=31719, Supplier Device Package=SOT-23-6, Unidirectional Channels=2
U14: library part CMP-030-0082-2, Design Item ID="CONN 2x4 HARWIN M80-5S20805MD", Source=connector.SchLib
U15: library part CMP-064-0007-1, Design Item ID=RFM_Module, Source=modules.SchLib
U16: library part CMP-044-0003-1, Case/Package=VSSOP, Manufacturer="Texas Instruments", Manufacturer Part Number=SN65HVD72DGKR, Max Operating Temperature=125°C, Max Supply Voltage=3.6V, Min Operating Temperature=-40°C, Min Supply Voltage=3V, Nominal Supply Current=950uA, Output Current=8mA, Output Voltage=2V, Package Quantity=2500, Supply Voltage=3.3V, ComponentLink1Description=https://datasheet.ciiva.com/28650/1787953-28650706.pdf, ComponentLink1URL=https://datasheet.ciiva.com/28650/1787953-28650706.pdf, ComponentLink2Description=https://datasheet.ciiva.com/24096/sn65hvd72-446416-24096821.pdf, ComponentLink2URL=https://datasheet.ciiva.com/24096/sn65hvd72-446416-24096821.pdf, ComponentLink3Description=https://datasheet.ciiva.com/6636/sn65hvd72-6636345.pdf, ComponentLink3URL=https://datasheet.ciiva.com/6636/sn65hvd72-6636345.pdf, ComponentLink4Description=https://datasheet.ciiva.com/26946/getdatasheetpartid-716725-26946073.pdf, ComponentLink4URL=https://datasheet.ciiva.com/26946/getdatasheetpartid-716725-26946073.pdf, ComponentLink5Description=https://datasheet.ciiva.com/6636/sn65hvd72-6636346.pdf, ComponentLink5URL=https://datasheet.ciiva.com/6636/sn65hvd72-6636346.pdf, ComponentLink6Description=https://datasheet.ciiva.com/6636/sn65hvd72-6636347.pdf, ComponentLink6URL=https://datasheet.ciiva.com/6636/sn65hvd72-6636347.pdf, ComponentLink7Description=https://datasheet.ciiva.com/14195/sn65hvd75-14195211.pdf, ComponentLink7URL=https://datasheet.ciiva.com/14195/sn65hvd75-14195211.pdf, ComponentLink8Description=https://datasheet.ciiva.com/41461/001187608-da-01-en-ic-txrx-rs485-sn65hvd72dgkr-vssop-8-tid-41461063.pdf, ComponentLink8URL=https://datasheet.ciiva.com/41461/001187608-da-01-en-ic-txrx-rs485-sn65hvd72dgkr-vssop-8-tid-41461063.pdf, Data Rate=0.25Mbps, Design Item ID=SN65HVD7x, Interface=RS-485, Lead Free="Lead Free", Logic Function=Transceiver, Number of Drivers=1, Number of Pins=8, Number of Receivers=1, Number of Transceivers=1, Number of Transmitters=1, Packaging="Tape and Reel", Propagation Delay=0.7us, Radiation Hardening=No, REACH SVHC="No SVHC", Simplex/Duplex="Half Duplex", Source=ic_digital.SchLib
X1: library part CMP-066-0008-1, "CRYSTAL 32.768 KHZ 12.5 PF SMD", ESR (Equivalent Series Resistance)="70 kOhm", Frequency=32.768kHz, Frequency Stability=-, Frequency Tolerance=±10ppm, Load Capacitance=12.5pF, Manufacturer="TXC CORPORATION", Manufacturer Part Number=9HT10-32.768KEZF-T, Operating Mode=Fundamental, Operating Temperature="-40°C ~ 85°C", Package / Case=2-SMD, ComponentLink1Description=Datasheet, ComponentLink1URL=http://www.txccrystal.com/images/pdf/9ht10.pdf, Design Item ID=XTAL_9HT10-32.768KEZF-T, Height="0.033\" (0.85mm)", Mounting Type="Surface Mount", Packaging="Cut Tape (CT)", Pricing 1="1=1.88, 10=1.625, 50=1.425, 100=1.125, 500=0.95, 1000=0.75 (USD)", Ratings=-, RoHS="RoHS Compliant", Size / Dimension="0.126\" L x 0.059\" W (3.20mm x 1.50mm)", Source=oscillator.SchLib, Stock 1=5250

## Via types
v1: diameter 24, hole 12, Top Layer to Bottom Layer, tented both sides, 158 vias
v2: diameter 27, hole 15, Top Layer to Bottom Layer, 14 vias
v3: diameter 30, hole 18, Top Layer to Bottom Layer, tented both sides, 6 vias
v4: diameter 30, hole 15, Top Layer to Bottom Layer, tented both sides, 3 vias
v5: diameter 28, hole 16, Top Layer to Bottom Layer, tented both sides, 3 vias
v6: diameter 35, hole 20, Top Layer to Bottom Layer, 3 vias
v7: diameter 28, hole 15, Top Layer to Bottom Layer, tented both sides, 2 vias
v8: diameter 35, hole 20, Top Layer to Bottom Layer, tented both sides, 1 vias
v9: diameter 44, hole 30, Top Layer to Bottom Layer, tented both sides, 1 vias
v10: diameter 38, hole 25, Top Layer to Bottom Layer, tented both sides, 1 vias
v11: diameter 30, hole 16, Top Layer to Bottom Layer, tented both sides, 1 vias
v12: diameter 70, hole 50, Top Layer to Bottom Layer, tented both sides, 1 vias

## Nets (pads, with @x,y where several pads share a name; then routed paths per layer and width w, separated by ;. In a path a pad name is that pad's centre, name@x,y a point inside that pad or via, vN(x,y) a via of type N, cw(c..) or ccw(c..) an arc to the next point about the centre after c; other vN are vias at no path point)
3V3: B1.1 C4.1 C5.1 C6.1 C7.1 C9.1 C11.1 C14.1 C15.1 C16.2 C17.1 C20.2 C21.1 C24.1 C27.1 C28.1 C40.2 C41.1 C46.2 C48.2 C51.2 C52.1 C53.2 CANA1.3 CANA1.5 D7.2 P1.1 R2.2 R3.2 R19.1 R21.1 R47.1 R48.1 R49.1 R50.1 R51.1 R52.1 R58.2 R59.2 U1.7 U1.8 U2.1 U2.3 U3.1 U4.1 U5.1 U6.1 U7.1 U8.11 U9.11 U10.2 U10.17 U11.4 U12.21 U12.34 U12.48 U12.56 U14.8 U15.13 U16.8 | length 6637.2
  Top Layer w10: R51.1@970.47,1925 R49.1@970.47,1990 972.44,1991.97 C41.1@972.44,2050 970.47,2051.97 R48.1@970.47,2140 ; R52.1@970.47,2340 R50.1@970.47,2270 R47.1@970.47,2205 R48.1@970.47,2140 ; R48.1@978.72,2131.75 R48.1@970.47,2140 ; U3.1@1074.27,5803.45 1074.61,5803.45 1074.92,5803.13 C11.1@1131.61,5803.13
  Top Layer w12: v1(1105,3810) 1424.8,3810 1430.67,3815.88 v1(1433.92,3815.88) ; C11.1@1131.46,5794.13 1140.4,5803.08 1140.4,5815.52 1179.02,5854.13 v3(1244.02,5854.13) ; v1(1407.63,2884.26) 1383.86,2860.49 1383.86,2769.49 1432.09,2721.26 v1(1432.09,2628.82) ; v1(1730.24,1355) 1787.16,1355 1868.97,1436.81 v1(1901.97,1436.81) ; 1748.03,5329.53 1752.95,5324.61 ; U4.1@1748.03,5364.96 U4.1@1766.73,5383.66 ; v1(1965,4170) 1990,4170 2019.78,4199.78 2019.78,4213.28 2029.53,4223.03 R58.2@2029.53,4225 R59.2@2029.53,4285
  Top Layer w15: R48.1@978.72,2131.75 978.72,2116.28 995,2100 v4(1110,2100) ; D7.2@1748.03,5274.41 1748.03,5329.53 U4.1@1748.03,5364.96 ; 1752.95,5324.61 v4(1795.28,5324.61)
  Top Layer w20: C15.1@1221.02,5615.94 1261.81,5615.94 ; U15.13@1266.73,5519.12 1263.19,5522.66 1263.19,5578.63 v8(1260.32,5581.5) 1261.81,5582.99 1261.81,5615.94 ; C28.1@1298.23,5615.94 1261.81,5615.94
  Int1 w10: v1@1936.87,3077.86 v1(1939.34,3080.32)
  Int1 w15: v1(1773.46,2903) 1773.46,2905.43 1779.76,2911.73 1779.76,2933.99 1923.32,3077.55 1930.2,3077.55 1931.25,3078.6 1936.12,3078.6 v1@1936.87,3077.86
  Bottom Layer w10: C21.1@1145,3770 1155.75,3759.25 1160.46,3759.25 1162.59,3757.12 U6.1@1221.22,3757.12 ; U9.11@1344.69,3457.09 1410.94,3457.09 C14.1@1412.6,3458.74 ; C17.1@1605.04,3845 1605.04,3779.17 1614.92,3769.28 U5.1@1614.92,3757.12 ; U8.11@1738.39,3457.09 C27.1@1799.25,3457.09 ; C24.1@1881.33,3218.46 1886.64,3223.78 U7.1@1942.37,3223.78
  Bottom Layer w12: v1(1043.82,4713.31) 1045.57,4713.31 1058.85,4700.02 1068.66,4700.02 1078.41,4690.28 R3.2@1078.41,4688.31 ; v1(1105,3810) 1134.27,3780.73 1134.27,3779.75 1144.02,3770 C21.1@1145,3770 ; C53.2@1189.49,2834.49 1190.18,2833.79 1203.97,2833.79 1204.66,2834.49 1244.24,2834.49 1285.19,2793.53 1366.76,2875.1 1400.6,2875.1 1407.63,2882.13 v1(1407.63,2884.26) ; B1.1@1247.52,3328.11 1247.52,3330.38 1268.97,3351.84 v1(1268.97,3354.11) ; 1312.96,5567.75 1312.96,5571.62 1337.6,5596.26 R19.1@1337.6,5598.23 ; C14.1@1421.62,3470 1421.62,3470.98 1431.37,3480.73 1431.37,3505 1442.59,3516.22 v1(1470.5,3516.22) ; U12.48@1526.25,2731.15 1557.02,2700.38 1557.02,2692.26 1551.03,2686.27 v1@1551.03,2684.64 ; C9.1@1537.22,4035.95 1546.97,4045.7 1554.24,4045.7 1554.98,4046.44 U2.3@1607.56,4046.44 1638.23,4046.44 1648.72,4035.95 1648.72,3984.35 1638.23,3973.86 1609.79,3973.86 U2.1@1607.56,3971.64 1607.56,3947.44 1607.7,3947.3 1607.7,3914.22 v1(1607.04,3913.56) 1606.37,3912.89 1606.37,3846.33 C17.1@1605.04,3845 ; v1(1551.03,2683.02) v1@1551.03,2684.64 ; C51.2@1559.49,2649.49 1558.79,2650.18 1558.79,2663.97 1559.49,2664.66 1559.49,2676.18 v1@1551.03,2684.64 ; U12.21@1581.93,3201.63 1620,3239.7 1620,3253.98 1640.51,3274.49 C46.2@1590,3325 ; v11@1662.34,1255 1662.34,1275.2 1730.24,1343.1 v1(1730.24,1355) 1761.14,1385.91 CANA1.5@1777.48,1385.91 ; U12.34@1721.12,2926.02 1721.26,2926.02 1743.46,2903.82 1772.64,2903.82 v1(1773.46,2903) 1773.46,2879.88 C52.1@1793.95,2859.39 ; C27.1@1799.25,3457.09 C27.1@1802.6,3453.74 1812.35,3443.99 1819.45,3443.99 1843.11,3420.33 v1(1843.11,3363.97) ; v1(1840,3220) 1879.79,3220 C24.1@1881.33,3218.46 ; v1(1901.97,1436.81) CANA1.3@1963.92,1436.81 ; CANA1.3@1962.52,1435.91 2042.56,1435.91 C16.2@2045,1438.35
  Bottom Layer w15: v1(1051.8,3374.27) 1201.35,3374.27 B1.1@1247.52,3328.11 ; v4(1110,2100) 1114.06,2100 1120.99,2106.93 U11.4@1191.95,2106.93 ; v5(1154.3,2478.82) C40.2@1189.25,2478.82 ; C20.2@1646.65,1727.17 1646.65,1726.18 v1@1675.49,1697.35 ; U10.2@1661.42,5289.17 1665.35,5293.11 1764.76,5293.11 v4@1795.28,5323.62 ; v1(1682.09,1703.94) 1682.09,1703.54 1675.69,1697.15 1702.56,1670.28 U16.8@1702.56,1643.5 ; v3(1812.99,4899.41) 1812.99,4859.05 1824.98,4847.07 P1.1@1824.98,4813.35 ; v4(1881.89,2142.52) 1931.29,2142.52 1957.17,2116.64 R21.1@1957.17,2079.53
  Bottom Layer w16: U14.8@1618.11,1225 1632.34,1225 v11@1662.34,1255
  Bottom Layer w18: U1.7@1238.62,4562.91 1238.62,4559.96 1243.4,4555.18 1246.35,4555.18 1252.28,4549.25 R2.2@1321.61,4549.25 1328.36,4542.5 1336.67,4542.5 1382.35,4496.83 1391.56,4496.83 1392.17,4496.22 C4.1@1392.17,4487.01 ; C4.1@1398.31,4489.09 1403.54,4483.86 1403.54,4434.33 C5.1@1398.31,4429.09 1403.54,4423.86 1403.54,4374.33 C6.1@1398.31,4369.09 1403.54,4363.86 1403.54,4314.33 C7.1@1398.31,4309.09 1403.54,4303.86 1403.54,4257.84 1427.33,4234.06 1470.94,4234.06 1487.2,4217.8 ; v3(1487.2,4260.63) 1487.2,4217.8 ; U2.3@1607.56,4046.44 1607.56,4193.39 1583.16,4217.8 1487.2,4217.8 ; 1619.09,4087.4 v3(1647.64,4087.4)
  Bottom Layer w20: v3(992.89,4028.04) 1073.57,4108.72 v3(1073.57,4231.98) ; v8(1260.32,5581.5) 1263.19,5578.63 1302.08,5578.63 1312.96,5567.75 1326.77,5553.94 U10.17@1326.77,5474.21
  other v1: 1615.26,3299.74
  other v11: 1663.18,1255
ACCEL_CS_1: U9.14 U12.12 | length 607.1
  Int1 w10: v1(1336.68,3250.97) 1325.55,3239.84 1258.04,3239.84 1211.59,3286.29 1211.59,3439.78 1237.87,3466.06 1304.46,3466.06 1365.6,3527.2 v1(1380.16,3527.2)
  Bottom Layer w10: v1(1336.68,3250.97) 1337.68,3249.97 1337.68,3226.44 1362,3202.12 U12.12@1362,3201.63 ; U9.14@1344.69,3516.14 1367.3,3516.14 1378.36,3527.2 v1(1380.16,3527.2)
ACCEL_CS_2: U8.14 U12.6 | length 960.7
  Int1 w10: v1(1322.41,3090) 1319.73,3087.32 1319.73,3045.81 1328.54,3037 1355.32,3037 1460,3141.68 1460,3240.31 1635.75,3416.06 1635.75,3507.99 1681.39,3553.63 1766.63,3553.63 1766.63,3552.16 1780,3538.79 1776.21,3535 v1(1771.42,3535)
  Bottom Layer w10: U12.6@1278.49,3118.11 1317.36,3079.24 1322.41,3084.29 v1(1322.41,3090) ; U8.14@1738.39,3516.14 1738.46,3516.22 1752.02,3516.22 1770.79,3535 v1(1771.42,3535)
ACCEL_INT_1: U9.16 U12.50 | length 1107.2
  Int1 w10: v1(1267.9,3570) 1179,3481.1 1179,3271.25 1217.04,3233.22 1217.04,3201.71 1277.15,3141.6 1277.15,3092.3 1228.9,3044.05 1228.9,2987.58 1353.64,2862.83 1353.64,2836.94 1371,2819.59 1371,2716.76 v1(1378.36,2709.4)
  Bottom Layer w10: v1(1267.9,3570) 1270.35,3567.55 1283.63,3567.55 1294.67,3556.52 1298.94,3556.52 1299.02,3556.44 U9.16@1299.02,3552.17 ; v1(1378.36,2709.4) 1378.36,2719.67 U12.50@1403.76,2745.07